# KiCad board tildagon-top.kicad_pcb
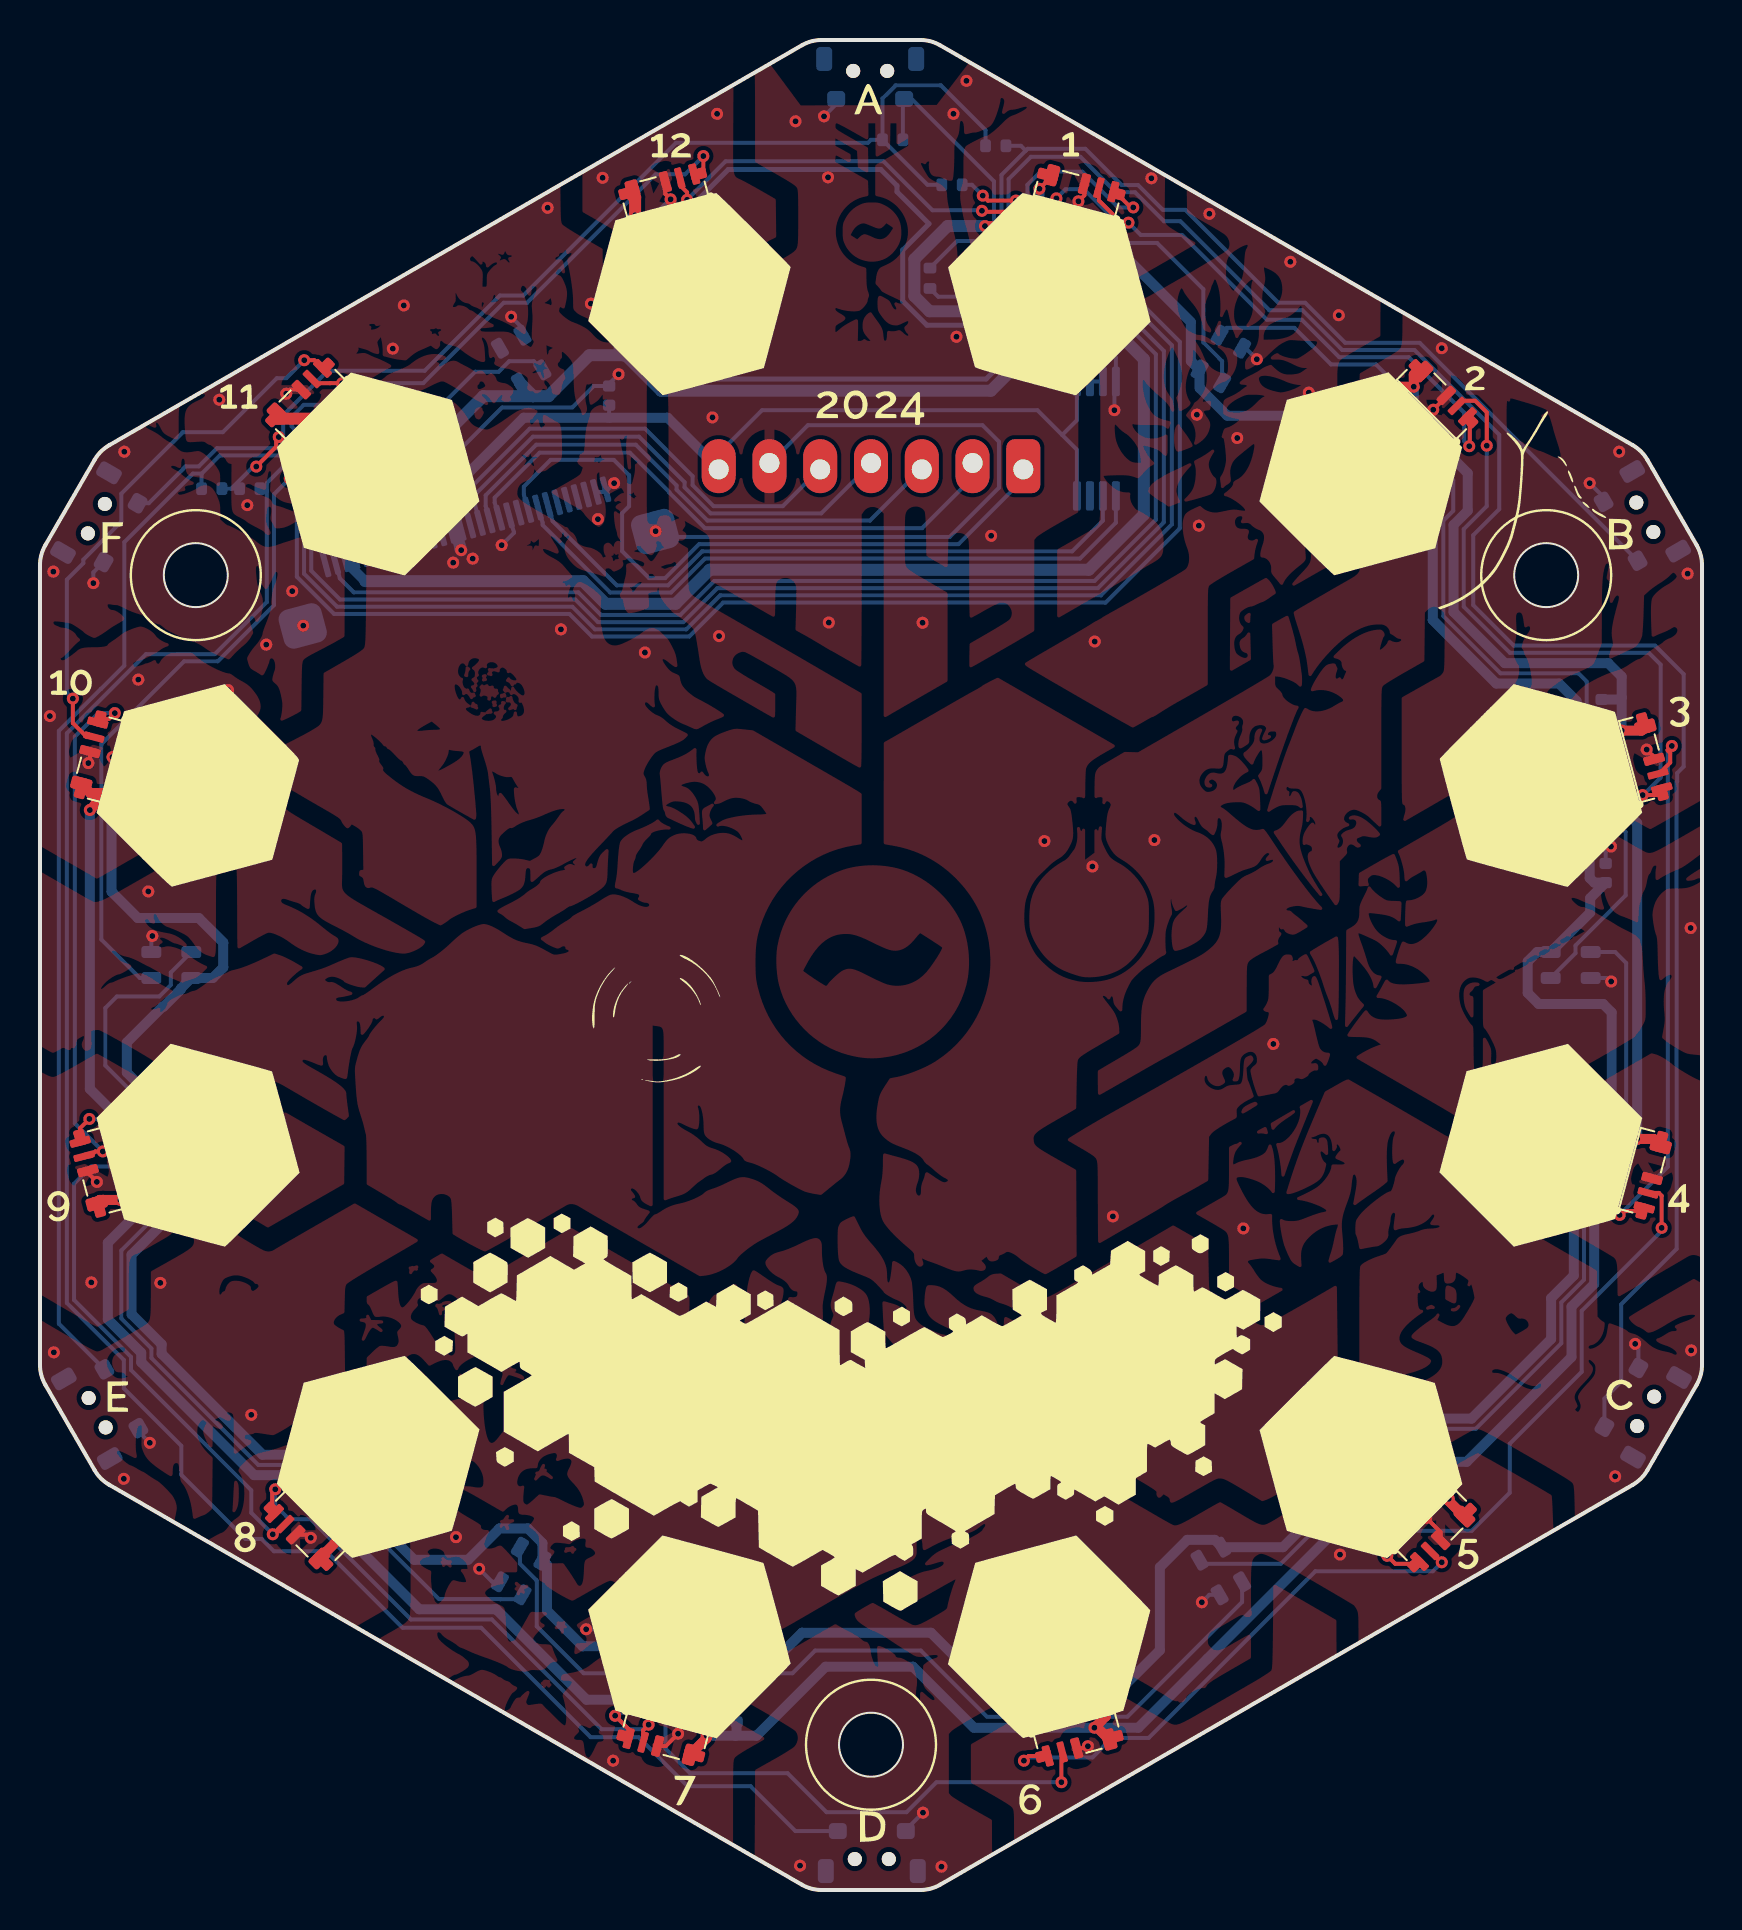
[diagram p0: board, top side]
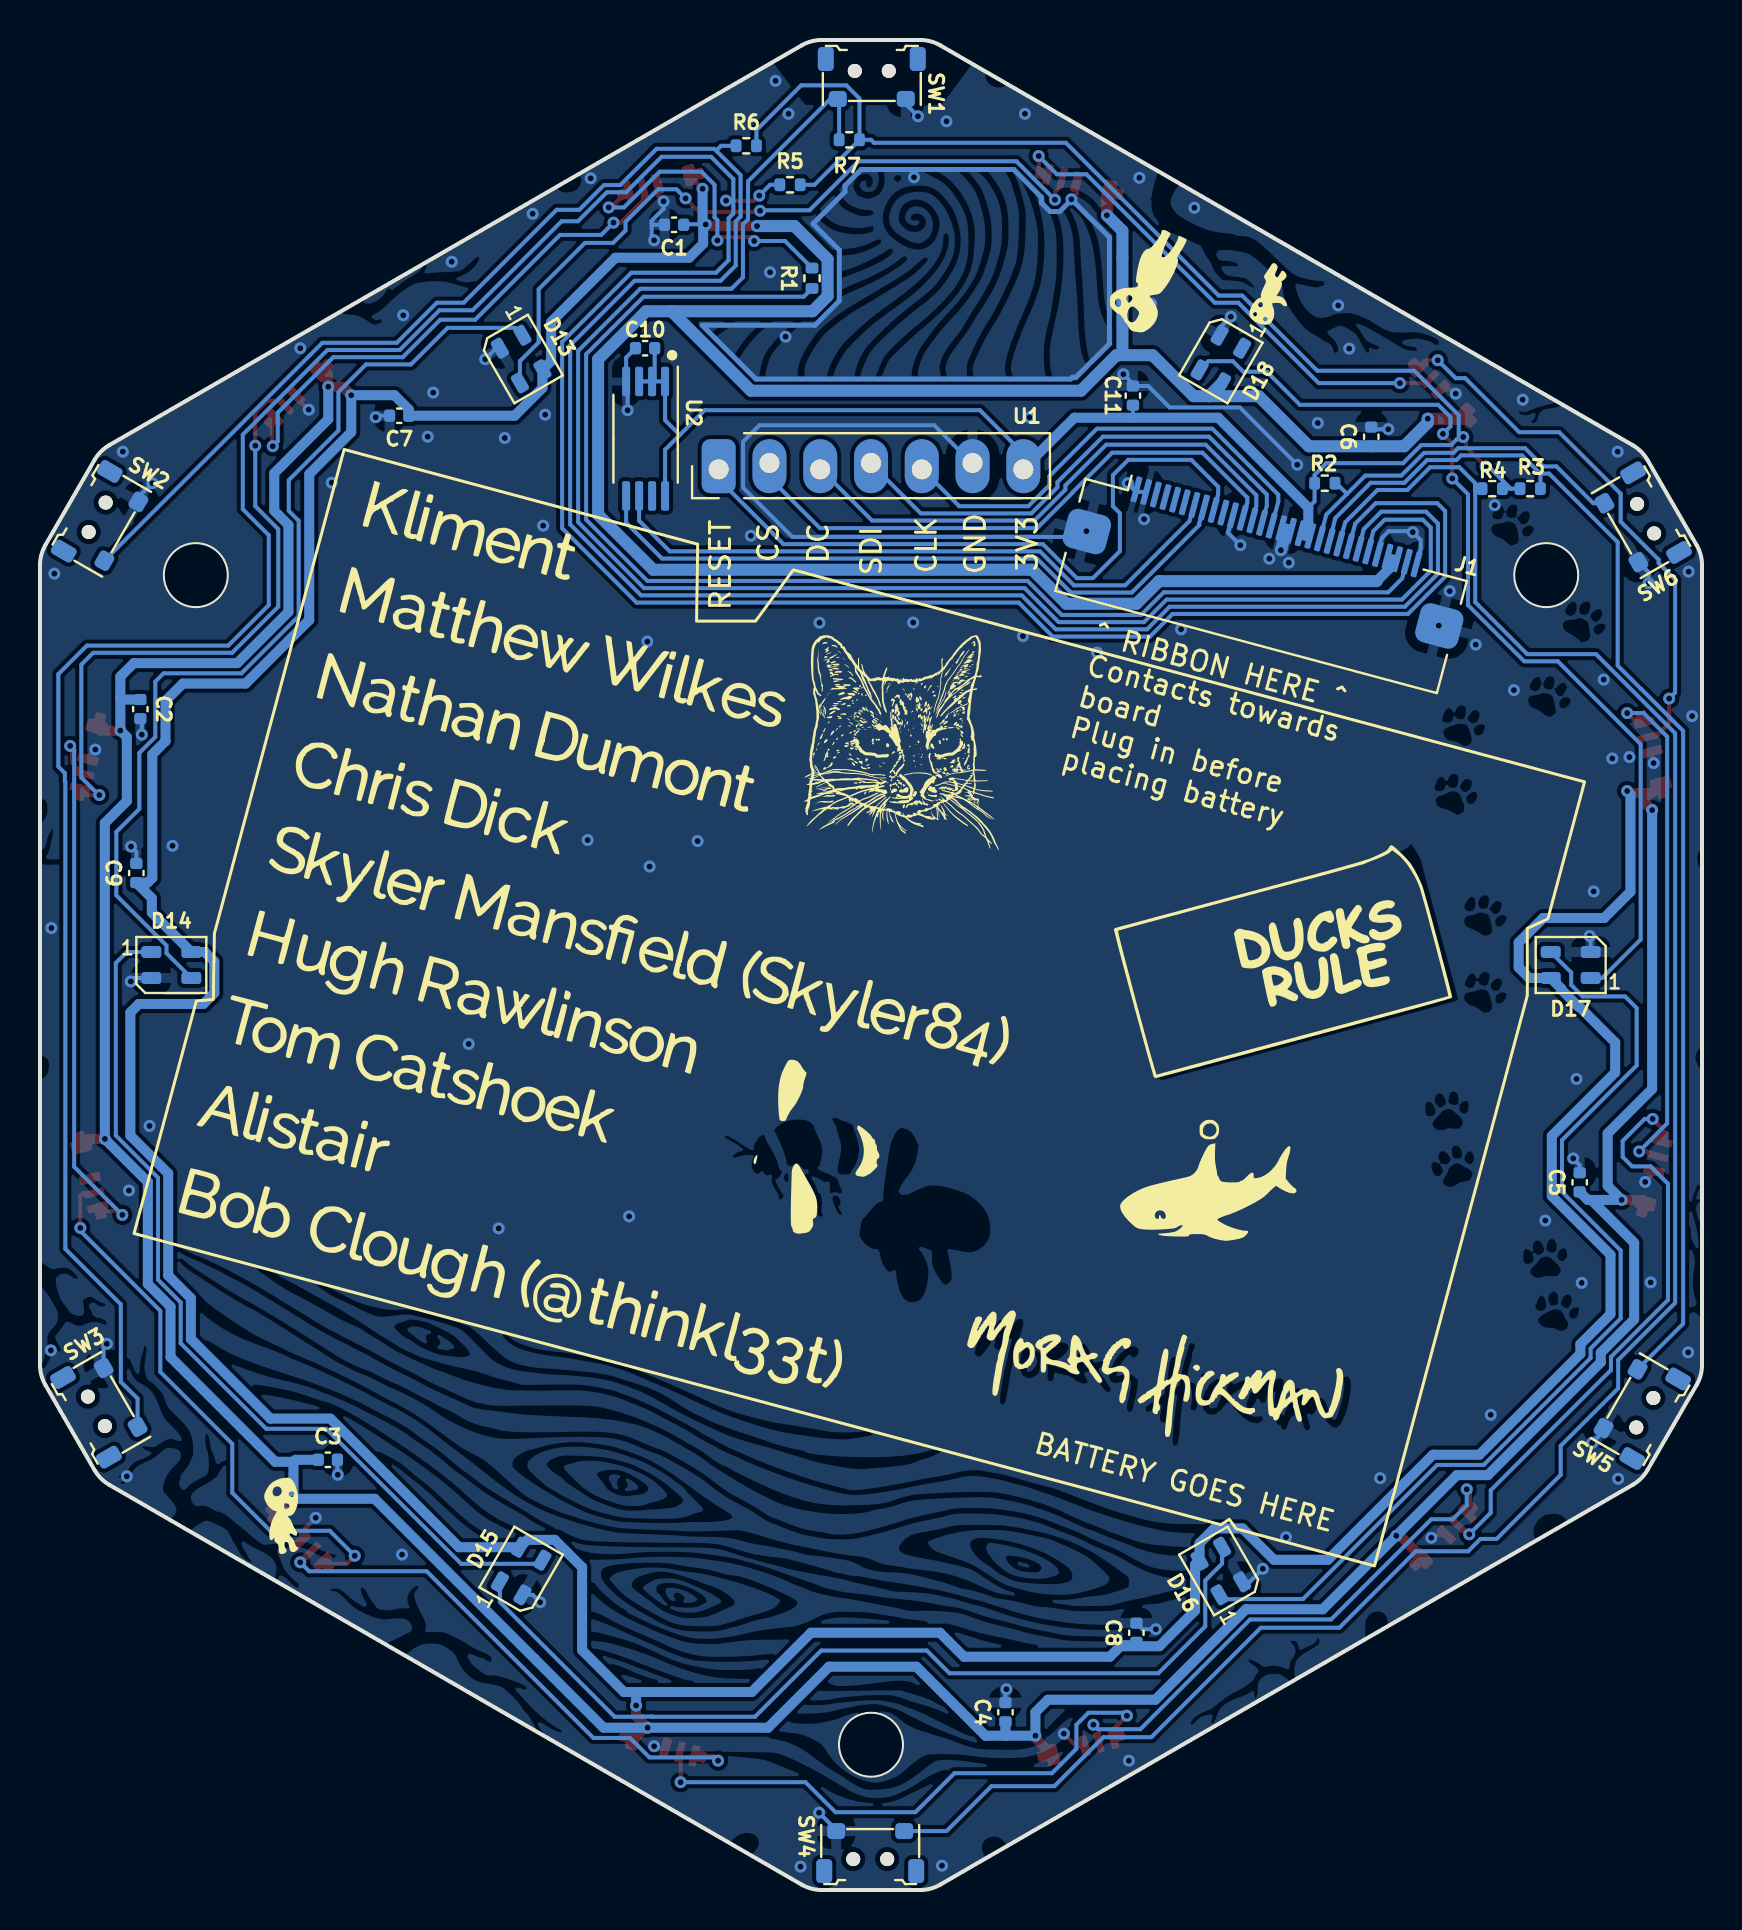
[diagram p1: board, bottom side, seen from below]

Outline 83.14 x 92.54 mm; copper layers: Top, Bottom. Coordinates in mm from the lower left corner of the outline.
Outline path: circle c7.79,65.77 r1.6 ; circle c41.57,7.27 r1.6 ; circle c75.34,65.77 r1.6 ; 0,66.27 0,26.27 arc(0.07,25.75) 0.27,25.27 2.73,21 arc(3.05,20.59) 3.46,20.27 38.11,0.27 arc(38.59,0.07) 39.11,0 44.03,0 arc(44.55,0.07) 45.03,0.27 79.67,20.27 arc(80.09,20.59) 80.41,21 82.87,25.27 arc(83.07,25.75) 83.14,26.27 83.14,66.27 arc(83.07,66.79) 82.87,67.27 80.41,71.54 arc(80.09,71.95) 79.67,72.27 45.03,92.27 arc(44.55,92.47) 44.03,92.54 39.11,92.54 arc(38.59,92.47) 38.11,92.27 3.46,72.27 arc(3.05,71.95) 2.73,71.54 0.27,67.27 arc(0.07,66.79) 0,66.27

## Placement (name value [footprint] x y rotation side)
C1  1u  [C_0402_1005Metric]  51.42 83.29 0 bottom
C2  1u  [C_0402_1005Metric]  78.12 59.07 270 bottom
C3  1u  [C_0402_1005Metric]  68.74 21.52 180 bottom
C4  1u  [C_0402_1005Metric]  34.84 8.89 90 bottom
C5  1u  [C_0402_1005Metric]  6.12 35.4 90 bottom
C6  1u  [C_0402_1005Metric]  16.54 72.69 90 bottom
C7  1u  [C_0402_1005Metric]  65.17 73.74 0 bottom
C8  1u  [C_0402_1005Metric]  28.29 12.87 90 bottom
C9  1u  [C_0402_1005Metric]  78.32 50.87 90 bottom
C10  1u  [C_0402_1005Metric]  52.87 77.12 0 bottom
C11  1u  [C_0402_1005Metric]  28.47 74.75 90 bottom
D1  SK68xx-EC3210x  [SK6805SIDE-S]  51.92 84.9 345 top
D2  SK68xx-EC3210x  [SK6805SIDE-S]  69.85 74.55 315 top
D3  SK68xx-EC3210x  [SK6805SIDE-S]  80.21 56.62 285 top
D4  SK68xx-EC3210x  [SK6805SIDE-S]  80.21 35.92 255 top
D5  SK68xx-EC3210x  [SK6805SIDE-S]  69.85 17.98 225 top
D6  SK68xx-EC3210x  [SK6805SIDE-S]  51.92 7.63 195 top
D7  SK68xx-EC3210x  [SK6805SIDE-S]  31.22 7.63 165 top
D8  SK68xx-EC3210x  [SK6805SIDE-S]  13.28 17.98 135 top
D9  SK68xx-EC3210x  [SK6805SIDE-S]  2.93 35.92 105 top
D10  SK68xx-EC3210x  [SK6805SIDE-S]  2.93 56.62 75 top
D11  SK68xx-EC3210x  [SK6805SIDE-S]  13.28 74.55 45 top
D12  SK68xx-EC3210x  [SK6805SIDE-S]  31.22 84.9 15 top
D13  SK6805MICRO-J  [LED_SK6805_PLCC4_2.4x2.7mm_P1.3mm]  59.07 76.58 240 bottom
D14  SK6805MICRO-J  [LED_SK6805_PLCC4_2.4x2.7mm_P1.3mm]  76.57 46.27 180 bottom
D15  SK6805MICRO-J  [LED_SK6805_PLCC4_2.4x2.7mm_P1.3mm]  59.07 15.96 120 bottom
D16  SK6805MICRO-J  [LED_SK6805_PLCC4_2.4x2.7mm_P1.3mm]  24.07 15.96 60 bottom
D17  SK6805MICRO-J  [LED_SK6805_PLCC4_2.4x2.7mm_P1.3mm]  6.57 46.27 0 bottom
D18  SK6805MICRO-J  [LED_SK6805_PLCC4_2.4x2.7mm_P1.3mm]  24.07 76.58 300 bottom
J1  Conn_01x30_MountingPin  [Jushuo_AFC01-S30FCC-00_1x30-1MP_P0.50mm_Horizontal]  22.06 65.2 195 bottom
R1  1k  [R_0402_1005Metric]  44.52 80.62 90 bottom
R2  100k  [R_0402_1005Metric]  18.87 70.37 0 bottom
R3  100k  [R_0402_1005Metric]  8.59 70.09 0 bottom
R4  100k  [R_0402_1005Metric]  10.49 70.09 180 bottom
R5  100k  [R_0402_1005Metric]  45.62 85.29 180 bottom
R6  100k  [R_0402_1005Metric]  47.81 87.24 180 bottom
R7  100k  [R_0402_1005Metric]  42.65 87.54 180 bottom
SW1  SW_Push  [sidebutton-1TS003B-1400-3500A-CT]  41.53 90.99 180 bottom
SW2  SW_Push  [sidebutton-1TS003B-1400-3500A-CT]  80.28 68.66 120 bottom
SW3  SW_Push  [sidebutton-1TS003B-1400-3500A-CT]  80.32 23.94 60 bottom
SW4  SW_Push  [sidebutton-1TS003B-1400-3500A-CT]  41.61 1.55 0 bottom
SW5  SW_Push  [sidebutton-1TS003B-1400-3500A-CT]  2.86 23.87 300 bottom
SW6  SW_Push  [sidebutton-1TS003B-1400-3500A-CT]  2.82 68.59 240 bottom
U1  ~  [PinHeader_1x07_P2.54mm_Vertical_LockPads]  41.57 71.22 180 bottom
U2  24LC00  [TSSOP-8_4.4x3mm_P0.65mm]  52.84 72.59 270 bottom

## Library data of the parts
C1-C11 = -: Description: Unpolarized capacitor
D1-D18 = -: Description: RGB LED with integrated controller
J1 = -: Description: Generic connectable mounting pin connector, single row, 01x30, script generated (kicad-library-utils/schlib/autogen/connector/)
R1-R7 = -: Description: Resistor
SW1-SW6 = -: Description: Push button switch, generic, two pins
U2 = -: Description: I2C Serial EEPROM, 128 Bits, DIP-8/SOIC-8/TSSOP-8/DFN-8

## Footprints (pads in the part's own frame, mm; a bottom-side part is the same pattern mirrored in y, then rotated)
C_0402_1005Metric
  rrect 0.56x0.62 smd: 1(-0.48,0) 2(0.48,0)
Jushuo_AFC01-S30FCC-00_1x30-1MP_P0.50mm_Horizontal
  rrect 0.3x1.3 smd: 1(-7.275,3.08) 2(-6.775,3.08) 3(-6.275,3.08) 4(-5.775,3.08) 5(-5.275,3.08) 6(-4.775,3.08) 7(-4.275,3.08) 8(-3.775,3.08) 9(-3.275,3.08) 10(-2.775,3.08) 11(-2.275,3.08) 12(-1.775,3.08) 13(-1.275,3.08) 14(-0.775,3.08) 15(-0.275,3.08) 16(0.225,3.08) 17(0.725,3.08) 18(1.225,3.08) 19(1.725,3.08) 20(2.225,3.08) 21(2.725,3.08) 22(3.225,3.08) 23(3.725,3.08) 24(4.225,3.08) 25(4.725,3.08) 26(5.225,3.08) 27(5.725,3.08) 28(6.225,3.08) 29(6.725,3.08) 30(7.225,3.08)
  rrect 2.2x2 smd: MP(-9.125,0.4) MP(9.125,0.4)
LED_SK6805_PLCC4_2.4x2.7mm_P1.3mm
  rrect 1x0.6 smd: 1(-1,0.65) 2(-1,-0.65) 3(1,-0.65) 4(1,0.65)
PinHeader_1x07_P2.54mm_Vertical_LockPads
  rrect 1.7x2.7 hole 1: 1(-7.62,-0.16)
  oval 1.7x2.7 hole 1: 2(-5.08,0.16) 3(-2.54,-0.16) 4(0,0.16) 5(2.54,-0.16) 6(5.08,0.16) 7(7.62,-0.16)
R_0402_1005Metric
  rrect 0.54x0.64 smd: 1(-0.51,0) 2(0.51,0)
sidebutton-1TS003B-1400-3500A-CT
  rrect 0.8x1.2 smd: (-2.3,0.6) (2.3,0.6)
  round 0.7 hole 0.7 unplated: (-0.85,0) (0.85,0)
  rrect 0.9x0.8 smd: 1(-1.7,-1.4) 2(1.7,-1.4)
SK6805SIDE-S
  rrect 1.05x0.55 smd: 1(-1.68,0.45)
  rrect 0.65x1.05 smd: 1(-1.48,0.5)
  rrect 0.45x1.05 smd: 2(0.2,0.5)
  rrect 0.35x1.05 smd: 3(0.95,0.5)
  rrect 0.39x1.05 smd: 4(1.7,0.5)
  rrect 0.8x0.55 smd: 4(1.905,0.45)
TSSOP-8_4.4x3mm_P0.65mm
  rrect 1.475x0.4 smd: 1(-2.862,0.975) 2(-2.862,0.325) 3(-2.862,-0.325) 4(-2.862,-0.975) 5(2.862,-0.975) 6(2.862,-0.325) 7(2.862,0.325) 8(2.862,0.975)

## Nets
/3V3: C10.1 C11.1 J1.18 J1.19 R2.2 R3.2 R4.2 R5.2 R6.2 R7.2 U1.7 U2.1 U2.2 U2.3 U2.8
/VBAT_SW: C1.1 C2.1 C3.1 C4.1 C5.1 C6.1 C7.1 C8.1 C9.1 D1.1 D2.1 D3.1 D4.1 D5.1 D6.1 D7.1 D8.1 D9.1 D10.1 D11.1 D12.1 D13.4 D14.4 D15.4 D16.4 D17.4 D18.4 J1.27 J1.28
GND: C1.2 C2.2 C3.2 C4.2 C5.2 C6.2 C7.2 C8.2 C9.2 C10.2 C11.2 D1.2 D2.2 D3.2 D4.2 D5.2 D6.2 D7.2 D8.2 D9.2 D10.2 D11.2 D12.2 D13.2 D14.2 D15.2 D16.2 D17.2 D18.2 J1.1 J1.2 J1.11 J1.16 J1.17 J1.26 J1.30 J1.MP SW1.2 SW2.2 SW3.2 SW4.2 SW5.2 SW6.2 U1.6 U2.4
/BTN1: J1.25 R7.1 SW1.1
/BTN2: J1.24 R6.1 SW2.1
/BTN3: J1.23 R5.1 SW3.1
/BTN4: J1.22 R4.1 SW4.1
/BTN5: J1.21 R3.1 SW5.1
/BTN6: J1.20 R2.1 SW6.1
/ESPBL: J1.6
/ESPRESET: J1.5
/ESPRX: J1.3
/ESPTX: J1.4
/HS1: J1.15 U1.5
/HS2: J1.14 U1.4
/HS3: J1.13 U1.3
/HS4: J1.12 U1.2
/LED_DATA: J1.29 R1.1
/LS1: J1.10
/LS2: J1.9 U1.1
/SCL: J1.7 U2.6
/SDA: J1.8 U2.5
Net-(D1-DIN): D1.4 R1.2
Net-(D1-DOUT): D1.3 D2.4
Net-(D2-DOUT): D2.3 D3.4
Net-(D3-DOUT): D3.3 D4.4
Net-(D4-DOUT): D4.3 D5.4
Net-(D5-DOUT): D5.3 D6.4
Net-(D6-DOUT): D6.3 D7.4
Net-(D7-DOUT): D7.3 D8.4
Net-(D8-DOUT): D8.3 D9.4
Net-(D10-DIN): D9.3 D10.4
Net-(D10-DOUT): D10.3 D11.4
Net-(D11-DOUT): D11.3 D12.4
Net-(D12-DOUT): D12.3 D13.3
Net-(D13-DOUT): D13.1 D14.3
Net-(D14-DOUT): D14.1 D15.3
Net-(D15-DOUT): D15.1 D16.3
Net-(D16-DOUT): D16.1 D17.3
Net-(D17-DOUT): D17.1 D18.3

Pads without a net: D18 1; U2 7

## Via types
v1: diameter 0.6, hole 0.3, Top to Bottom, 166 vias

## Routing (per net, layer and track width the routed paths; a pad name or vN(x,y) marks a point on that pad's centre or on a via; arc(x,y) is an arc through that point)
/3V3: length 113
  Top w0.2: v1(10.82,71.2) 11.82,72.2 11.82,72.55 v1(11.94,72.68)
  Bottom w0.2: 33.95,71.09 33.95,71.85 36.12,74.02 49.89,74.02 51.13,72.78 ; J1.19 19.95,67.73 J1.18 ; 9.57,70.09 R3.2 ; 9.57,70.09 10.67,71.2 v1(10.82,71.2) ; 9.57,70.09 9.98,70.09 ; 51.13,72.78 51.87,72.04 U2.8 ; 51.13,72.78 51.87,73.52 U2.1 U2.3 ; 19.69,69.14 19.38,69.46 R2.2 19.38,70.78 18.79,71.37 14.95,71.37 14.05,72.27 12.56,72.27 12.26,72.57 12.17,72.57 ; 12.17,72.57 12.17,73.77 14.39,75.99 19.24,75.99 23,79.75 24.18,79.75 31.82,87.39 41.42,87.39 41.57,87.54 42.14,87.54 ; 12.17,72.57 12.05,72.57 v1(11.94,72.68) ; 42.14,87.54 42.14,89.61 42.8,90.27 45.06,90.27 47.3,88.03 R6.2 ; 42.14,87.54 44.39,85.29 R5.2 ; C11.1 28.47,73.64 ; C10.1 52.39,75.59 U2.2
  Bottom w0.5: 19.84,67.73 19.69,67.88 19.69,69.14 24.19,73.64 31.4,73.64 33.95,71.09
/VBAT_SW: length 547.5
  Top w0.2: D1.1 50.62,85.72 v1(49.99,85.09)
  Top w0.5: v1(49.83,83.31) 49.79,83.27 49.63,83.27 49.58,83.22 47.28,83.22 v1(47.27,83.23) ; v1(2.49,54.02) 2.79,54.32 2.79,54.87 ; D8.1 15.11,17.72 v1(15.29,17.72) ; D5.1 70.47,19.46 v1(70.47,19.57) ; v1(79.89,37.57) 80.72,37.57 D4.1 ; D2.1 68.72,75.79 v1(68.72,75.19) 67.99,75.19 v1(67.57,74.77) ; v1(33.34,7.72) 33.34,7.59 D7.1 ; D3.1 80.12,57.99 v1(79.12,57.99) ; v1(3.74,54.97) 3.64,54.87 2.79,54.87 ; D10.1 2.52,54.87 2.79,54.87 ; v1(4.02,34.52) 2.99,34.52 D9.1 ; v1(53.32,9.23) 53.32,8.69 v1(52.74,8.12) 52.89,8.12 D6.1
  Top w0.6: D11.1 11.87,73.59 v1(13.72,73.59) ; v1(29.77,83.77) 29.77,84.61 D12.1
  Bottom w0.2: J1.28 15.6,66.57 J1.27 ; 29.09,12.19 28.89,12.39 28.3,12.39 C8.1 ; 49.96,83.32 50.91,83.32 C1.1
  Bottom w0.5: v1(3.74,54.97) 3.58,54.8 3.58,49.93 4.89,48.62 7.94,48.62 9.17,47.39 9.17,46.14 8.64,45.62 D17.4 7.05,45.1 7.05,45.06 6.18,44.18 6.13,44.18 4.34,42.39 4.34,40.89 7.51,37.72 7.51,34.71 4.58,31.78 4.58,28.8 6.08,27.3 6.08,26.82 11.13,21.77 13.46,21.77 18.72,16.52 21.42,16.52 22.98,18.09 24.39,18.09 25.13,17.35 D16.4 25.36,16.27 25.36,13.98 27.14,12.19 29.09,12.19 29.62,11.67 36.92,11.67 38.12,12.87 44.57,12.87 47.53,9.9 53.19,9.9 ; 70.46,21.42 70.36,21.52 C3.1 ; 70.46,21.42 70.46,19.58 v1(70.47,19.57) 66.39,19.57 54.94,8.12 v1(52.74,8.12) 46.72,8.12 43.67,11.17 39.29,11.17 35.84,7.72 34.79,7.72 ; 70.46,21.42 71.37,21.42 76.61,26.66 76.61,29.18 77.74,30.31 77.74,35.42 v1(79.89,37.57) 79.89,53.37 78.79,54.47 78.79,57.67 v1(79.12,57.99) 79.12,59.64 ; 16.27,65.47 15.49,66.24 15.49,66.57 ; 34.79,7.72 34.84,7.77 C4.1 ; 34.79,7.72 v1(33.34,7.72) 33.34,8.89 32.72,9.52 27.34,9.52 22.82,14.04 18.97,14.04 v1(15.29,17.72) 12.26,20.75 10.71,20.75 5.06,26.4 5.06,26.87 3.39,28.54 3.39,32.37 5.54,34.52 ; v1(49.99,85.09) 49.99,83.47 v1(49.83,83.31) 49.96,83.31 49.96,83.32 49.96,82.35 50.67,81.64 54.35,81.64 57.57,78.43 57.57,76.47 D13.4 58.01,75.13 59.39,73.74 C7.1 64.69,74.05 65.4,74.77 v1(67.57,74.77) 67.57,72.92 69.67,70.82 69.67,63.53 72.85,60.35 75.99,60.35 76.86,59.48 76.86,57.46 77.52,56.8 77.52,50.62 77.75,50.39 C9.1 77.54,49.61 77.54,48.89 D14.4 74.89,46.92 74.42,46.44 74.42,44.87 74.97,44.32 78.19,44.32 78.62,43.89 78.62,37.74 76.72,35.84 76.72,30.74 75.59,29.6 75.59,27.56 71.61,23.58 68.61,23.58 62.18,17.15 D15.4 58.77,17.51 57.39,17.51 56.02,16.14 56.02,11.99 53.93,9.9 53.19,9.9 ; 79.12,59.64 79.12,60.69 78.44,61.37 73.27,61.37 70.71,63.93 70.71,68.28 71.42,68.99 71.42,70.87 68.72,73.57 v1(68.72,75.19) ; 79.12,59.64 79.02,59.55 C2.1 ; 5.54,34.52 5.72,34.52 C5.1 ; 5.54,34.52 v1(4.02,34.52) 4.72,35.22 4.72,37.84 2.49,40.07 v1(2.49,54.02) ; 53.19,9.9 53.32,9.78 v1(53.32,9.23)
  Bottom w0.6: 29.17,76.77 28.99,76.94 28.99,82.99 v1(29.77,83.77) ; 29.17,76.77 29.29,76.77 31.07,74.99 47.57,74.99 51.54,78.97 ; 29.17,76.77 27.48,76.77 25.43,74.72 24.68,74.72 ; 51.54,78.97 44.49,78.97 43.74,79.72 43.74,81.57 45.4,83.23 v1(47.27,83.23) ; 51.54,78.97 52.82,78.97 55.22,76.57 55.22,68.79 52.46,66.04 33.5,66.04 31.8,64.34 28.29,64.34 27.16,65.47 16.27,65.47 ; v1(13.72,73.59) 13.72,73.39 14.9,72.21 C6.1 19.66,72.21 22.17,74.72 24.68,74.72 ; 24.68,74.72 D18.4
GND: length 147.2
  Top w0.2: v1(2.42,56.37) 2.5,56.45 D10.2 ; D9.2 2.4,35.86 v1(2.84,35.42) ; v1(52.42,7.19) 52.32,7.1 D6.2 ; v1(69.69,74.04) 70.35,74.7 D2.2 ; D3.2 80.74,56.67 v1(80.37,57.04) ; v1(13.54,17.62) 13.39,17.77 D8.2 ; D7.2 31.3,7.2 v1(31.92,7.82) ; D11.2 12.52,75.05 v1(12.32,74.84) ; D5.2 70.07,17.9 v1(69.34,18.62) ; v1(31.54,84.57) 31.28,84.83 D12.2 ; v1(51.94,84.47) 52.24,84.77 D1.2
  Bottom w0.2: SW5.2 4.92,22.94 v1(5.49,22.37) ; v1(23.09,67.27) 23.71,67.88 23.71,67.91 23.48,68.67 ; v1(23.57,78.69) 24.13,78.13 D18.2 ; v1(51.94,84.47) 51.94,84.09 52.54,83.49 52.54,83.34 ; v1(78.58,52.19) 78.32,51.93 C9.2 ; v1(52.42,82.52) 52.54,82.64 52.54,83.34 ; SW2.2 78.22,69.67 v1(77.52,70.37) ; D14.2 78.42,45.62 v1(78.59,45.44) ; D17.2 5.57,47.67 v1(5.62,47.72) ; v1(60.87,76.57) 60.32,77.12 D13.2 ; v1(2.67,65.37) 2.67,65.91 SW6.2 ; SW1.2 39.83,89.33 v1(39.22,88.72) ; v1(30.79,67.97) 30.78,67.95 J1.MP 31.04,67.68 45.5,67.68 47.97,70.14 47.97,72.44 47.14,73.27 38.41,73.27 36.49,71.34 ; v1(66.34,73.67) 66.27,73.74 C7.2 ; v1(44.17,3.87) 43.31,3.01 SW4.2 ; D16.2 22.62,15.42 v1(21.97,16.07) ; C8.2 27.99,13.04 v1(27.32,13.04) ; 52.54,83.34 52.49,83.29 C1.2 ; v1(68.24,20.77) 68.26,20.78 C3.2 ; v1(15.69,73.07) 16.44,73.07 C6.2 ; v1(78.04,57.79) 78.04,58.51 C2.2 ; v1(6.44,36.59) 6.12,36.27 C5.2 ; SW3.2 79.96,27.16 v1(79.79,27.32) ; J1.MP 13.15,63.23 v1(13.17,63.24) ; v1(20.25,71.29) 23.12,74.16 26.63,74.16 27.7,75.23 C11.2 28.47,75.34 v1(28.94,75.82) ; C10.2 53.82,76.65 U2.4 53.74,75.38 v1(53.74,74.02) ; 14.32,66.08 14.07,67.09 14.07,67.52 v1(14.47,67.92) 14.52,67.97 15.67,67.97 16.02,67.62 16.27,66.6 ; J1.16 J1.17 ; v1(58.12,14.39) 58.49,14.77 D15.2 ; v1(28.72,70.37) 28.41,70.06 J1.1 28.16,69.93 J1.2 ; C4.2 34.84,9.99 v1(34.79,10.04)
  Bottom w0.25: 31.52,84.57 31.52,84.57 32.13,83.96 32.61,83.96 33.04,84.39 33.04,84.67 34.43,86.06 42.06,86.06 42.87,85.25 42.87,84.94 44.47,83.34 43.15,82.03 43.15,79.48 44.37,78.27 50.02,78.27 47.33,75.58 31.58,75.58 31.49,75.67 31.32,75.67 29.64,77.34 29.64,82.67 v1(31.54,84.57)
  Bottom w0.6: 21.02,67.09 v1(21.07,67.02) 20.77,68.04
  vias: v1(0.49,58.72) v1(0.67,65.94) v1(0.69,26.89) v1(2.57,30.39) v1(3.63,56.67) v1(4.22,71.94) v1(4.19,20.57) v1(4.49,56.6) v1(4.92,60.54) v1(5.42,49.95) v1(6.02,30.37) v1(6.28,40.57) v1(7.84,33.49) v1(8.97,74.54) v1(9.41,60.02) v1(10.37,69.27) v1(10.57,23.77) v1(11.32,62.29) v1(12.62,64.97) v1(16.1,20.6) v1(17.65,77.1) v1(18.2,79.26) v1(19.22,73.38) v1(20.67,66.39) v1(20.81,17.65) v1(21.64,66.59) v1(25.39,84.14) v1(26.06,63.06) v1(27.56,79.35) v1(27.91,68.57) v1(28.14,85.64) v1(28.67,6.47) v1(30.26,61.9) v1(33.64,73.66) v1(33.87,88.84) v1(33.97,62.72) v1(37.79,88.47) v1(38.02,1.22) v1(39.42,85.67) v1(39.46,63.4) v1(44.15,63.39) v1(45.09,1.17) v1(45.69,88.84) v1(45.84,77.69) v1(46.34,90.49) v1(46.62,80.92) v1(47.58,67.74) v1(50.24,52.47) v1(52.64,51.19) v1(52.76,62.45) v1(53.67,33.69) v1(55.59,85.62) v1(55.74,52.52) v1(57.87,73.79) v1(57.97,68.24) v1(58.49,83.84) v1(59.89,72.63) v1(60.19,33.09) v1(61.69,42.32) v1(62.54,81.44) v1(63.47,74.9) v1(63.74,72.69) v1(64.97,78.77) v1(65.03,16.78) v1(68.54,70.39) v1(70.12,77.12) v1(76.51,52.23) v1(77.66,38.22) v1(78.69,34.99) v1(78.79,20.69) v1(78.99,71.94) v1(82.42,65.84) v1(82.57,48.12) v1(82.59,26.99)
/BTN1: length 83.8
  Bottom w0.2: J1.25 16.44,67.97 15.87,68.54 13.97,68.54 13.57,68.14 13.57,65.99 15.01,64.55 26.78,64.55 27.91,63.42 32.18,63.42 33.88,65.12 52.92,65.12 56.22,68.42 56.22,76.98 53.11,80.09 48.54,80.09 47.97,80.66 47.97,83.31 47.72,83.57 47.72,85.47 43.6,89.59 SW1.1 43.16,89.52 R7.1
/BTN2: length 120.1
  Bottom w0.2: 49.31,87 48.09,85.78 48.09,83.7 48.33,83.46 48.33,81.25 49.09,80.49 53.39,80.49 56.62,77.27 56.62,68.31 53.07,64.76 34.03,64.76 32.33,63.06 27.76,63.06 26.63,64.19 14.86,64.19 13.21,65.84 13.21,68.35 13.8,68.94 16.04,68.94 16.92,68.07 J1.24 ; 49.31,87 49.4,87.09 52.29,87.09 54.11,85.28 54.93,85.28 56.16,84.04 57.29,84.04 61.94,79.39 63.29,79.39 65.29,77.39 69.02,77.39 SW2.1 ; 49.31,87 49.07,87.24 R6.1
/BTN3: length 175.2
  Top w0.2: v1(48.82,84.5) 47.41,84.5 v1(47.16,84.75)
  Bottom w0.2: 48.45,84.47 48.45,85.58 49.57,86.69 52.04,86.69 53.82,84.92 54.78,84.92 56.23,83.47 57.04,83.47 61.49,79.02 63.15,79.02 65.14,77.03 68.76,77.03 72.99,72.79 72.99,69.07 71.69,67.77 71.69,64.27 73.72,62.24 80.79,62.24 82.22,60.82 82.22,56.19 81.89,55.87 81.89,55.44 81.87,55.42 81.87,32.07 79.09,29.29 79.09,25.42 78.26,24.58 SW3.1 ; 48.45,84.47 48.45,83.85 48.69,83.61 48.69,81.52 49.32,80.89 53.56,80.89 57.02,77.43 57.02,68.12 53.29,64.39 34.17,64.39 32.48,62.7 27.61,62.7 26.48,63.83 14.71,63.83 12.85,65.69 12.85,68.97 13.24,69.37 16.32,69.37 17.34,68.34 J1.23 ; 48.45,84.47 48.78,84.47 v1(48.82,84.5) ; v1(47.16,84.75) 46.62,85.29 R5.1
/BTN4: length 107.8
  Bottom w0.2: 11.35,69.97 11.34,69.96 11.34,64.42 8.74,61.82 5.3,61.82 1.34,57.86 1.34,29.36 4.19,26.51 4.19,25.09 7.07,22.22 7.07,20.77 10.28,17.56 11.08,17.56 11.7,16.94 14.32,16.94 18.14,13.12 22.07,13.12 27.54,7.64 29.94,7.64 32.39,5.19 35.54,5.19 37.79,2.95 SW4.1 ; 11.35,69.97 11.35,70.37 12.14,71.16 13.61,71.16 14.74,70.03 16.23,70.03 17.84,68.42 J1.22 ; 11.35,69.97 11.22,70.09 R4.1
/BTN5: length 62.8
  Bottom w0.2: 8.09,70.85 8.08,70.84 R3.1 ; 8.09,70.85 7.65,70.85 4.22,67.42 4.22,61.24 3.06,60.08 3.05,60.08 0.94,57.98 0.94,28.32 SW5.1 ; 8.09,70.85 9,71.76 12.05,71.76 12.29,71.52 13.76,71.52 14.89,70.39 16.57,70.39 18.34,68.62 J1.21
/BTN6: length 18.5
  Bottom w0.2: 17.76,69.83 16.84,70.75 15.04,70.75 13.9,71.88 12.44,71.88 12.2,72.12 8.85,72.12 7.94,71.21 7.28,71.21 5.44,69.37 SW6.1 ; 17.76,69.83 18.29,70.37 R2.1 ; 17.76,69.83 18.79,68.79 J1.20
/HS1: length 23.4
  Bottom w0.2: J1.15 21.19,69.44 21.19,69.79 24.49,73.09 30.27,73.09 32.64,70.72 32.64,70.27 33.69,69.22 37.16,69.22 39.03,71.09
/HS2: length 25.2
  Bottom w0.2: 41.57,71.34 39.08,68.86 33.55,68.86 32.24,70.16 32.24,70.42 29.97,72.69 24.66,72.69 21.77,69.8 21.77,69.24 J1.14
/HS3: length 26.9
  Bottom w0.2: 44.11,71.09 41.52,68.5 33.39,68.5 31.84,70.04 31.84,70.25 29.8,72.29 24.83,72.29 22.29,69.76 22.29,69.22 J1.13
/HS4: length 28.5
  Bottom w0.2: J1.12 22.74,69.39 22.74,69.65 24.99,71.89 29.51,71.89 31.48,69.91 31.48,69.89 33.26,68.12 44.12,68.12 46.65,70.64
/LED_DATA: length 65.5
  Bottom w0.2: 14.74,66.62 15,65.6 15.69,64.91 26.93,64.91 28.06,63.78 32.03,63.78 33.73,65.48 52.75,65.48 55.82,68.54 55.82,76.82 52.94,79.69 44.93,79.69 R1.1
/LS2: length 34.5
  Bottom w0.2: 49.19,71.09 49.19,70.56 45.94,67.32 32.97,67.32 31.27,65.62 30.47,65.62 29.12,66.97 29.12,68.87 29.47,69.22 29.47,70.77 28.7,71.53 25.54,71.53 24.2,70.19 24.2,69.8 24.44,69.04
/SCL: length 32.2
  Bottom w0.2: 25.41,69.22 25.64,68.47 28.85,65.26 31.42,65.26 33.12,66.96 51.63,66.96 53.17,68.49 U2.6
/SDA: length 33.8
  Bottom w0.2: 24.91,69.15 25.14,68.39 25.14,68.28 28.52,64.9 31.57,64.9 33.27,66.6 52.02,66.6 53.82,68.39 U2.5
Net-(D1-DIN): length 15.7
  Top w0.2: v1(47.41,82.48) 47.6,82.67 49.09,82.67 v1(49.25,82.51) ; v1(54.69,84.16) 54.56,84.16 D1.4
  Bottom w0.2: v1(47.41,82.48) 45.87,82.48 R1.2 ; v1(49.25,82.51) 49.25,83.52 49.39,83.66 49.39,85.29 50.05,85.95 52.14,85.95 53.93,84.16 v1(54.69,84.16)
Net-(D1-DOUT): length 26.4
  Top w0.2: D1.3 52.97,84.51 54.08,83.4 v1(54.45,83.4) ; D2.4 71.52,72.24 v1(71.49,72.22)
  Bottom w0.2: v1(54.45,83.4) 55.06,82.79 57.13,82.79 61.37,78.54 63.12,78.54 64.99,76.67 68.47,76.67 71.24,73.89 71.24,72.47 v1(71.49,72.22)
Net-(D2-DOUT): length 31
  Top w0.2: v1(80.17,54.77) 81,54.77 D3.4 ; v1(72.37,72.24) 72.37,73.91 71.79,74.49 71.14,74.49 D2.3
  Bottom w0.2: v1(72.37,72.24) 72.37,69.22 71.22,68.07 71.22,64.19 73.53,61.88 80.48,61.88 81.07,61.29 81.07,55.64 80.19,54.77 v1(80.17,54.77)
Net-(D3-DOUT): length 27.6
  Top w0.2: D3.3 80.99,55.83 81.55,56.39 81.55,56.88 81.41,57.01 v1(81.63,57.22) ; v1(79.02,33.77) 79.21,33.96 D4.4
  Bottom w0.2: v1(81.63,57.22) 81.43,57.03 81.43,36.18 v1(79.02,33.77)
Net-(D4-DOUT): length 27.8
  Top w0.2: v1(67.39,16.72) 67.79,16.32 D5.4 ; v1(81.12,33.12) 81.12,34.73 80.98,34.87 D4.3
  Bottom w0.2: v1(67.39,16.72) 68.64,17.97 71.62,17.97 73.52,19.87 73.52,22.32 77.12,25.92 77.12,28.97 81.12,32.97 v1(81.12,33.12)
Net-(D5-DOUT): length 26.9
  Top w0.2: v1(70.12,16.39) 70.1,16.39 D5.3 ; v1(49.22,6.47) 49.45,6.7 D6.4
  Bottom w0.2: v1(70.12,16.39) 69.67,15.94 63.79,15.94 55.46,7.61 53.63,7.61 52.65,6.63 49.38,6.63 v1(49.22,6.47)
Net-(D6-DOUT): length 28.7
  Top w0.2: v1(51.09,5.39) 51.09,6.86 D6.3 ; v1(28.77,8.72) 29.44,8.04 D7.4
  Bottom w0.2: v1(51.09,5.39) 44.85,5.39 43.35,3.89 39.34,3.89 37.39,5.84 32.52,5.84 31.29,7.07 31.29,8.27 30.69,8.87 28.92,8.87 v1(28.77,8.72)
Net-(D7-DOUT): length 26.3
  Top w0.2: D7.3 30.17,7.99 v1(30.44,8.27) ; v1(11.77,20.04) 11.62,19.89 D8.4
  Bottom w0.2: v1(30.44,8.27) 30.22,8.04 28.09,8.04 22.6,13.53 18.55,13.53 13.54,18.54 12.47,18.54 11.77,19.24 v1(11.77,20.04)
Net-(D8-DOUT): length 29.2
  Top w0.2: v1(2.47,38.57) 2,38.1 D9.4 ; D8.3 11.75,17.79 v1(11.64,17.79)
  Bottom w0.2: v1(2.47,38.57) 2.87,38.57 3.97,37.47 3.97,36.67 3.49,36.19 2.57,36.19 1.7,35.33 1.7,29.51 4.55,26.66 4.55,26.01 10.57,19.99 10.57,18.87 v1(11.64,17.79)
Net-(D10-DIN): length 25.7
  Top w0.2: v1(3.14,36.94) 2.77,36.94 2.53,36.7 D9.3 ; v1(3.74,58.87) 3.45,58.58 D10.4
  Bottom w0.2: v1(3.74,58.87) 2.92,58.87 1.74,57.69 1.74,38.34 v1(3.14,36.94)
Net-(D10-DOUT): length 27.1
  Top w0.2: D11.4 13.72,76.52 v1(13.22,76.52) ; D10.3 2.34,57.67 1.64,58.37 v1(1.64,59.59)
  Bottom w0.2: v1(13.22,76.52) 12.32,75.62 11.84,75.62 9.14,72.92 7.14,72.92 4.07,69.84 4.07,68.44 2.17,66.54 2.17,66.37 1.34,65.54 1.34,59.89 v1(1.64,59.59)
Net-(D11-DOUT): length 25.4
  Top w0.2: D11.3 13.81,75.37 14.51,75.37 14.51,75.37 v1(15.12,75.37) ; D12.4 33.18,86.07 v1(33.18,86.73)
  Bottom w0.2: v1(15.12,75.37) 19.17,75.37 23.19,79.39 24.37,79.39 30.79,85.82 32.27,85.82 v1(33.18,86.73)
Net-(D12-DOUT): length 36.8
  Top w0.2: v1(32.37,84.54) 32.37,84.92 32,85.28 D12.3 ; v1(47.12,83.99) 47.17,83.94 50.17,83.94 v1(50.84,84.61)
  Bottom w0.2: D13.3 59.13,76.47 58.19,77.41 58.19,80.07 55.88,82.39 54.47,82.39 53.85,83.01 53.85,83.44 52.22,85.07 51.3,85.07 v1(50.84,84.61) ; v1(32.37,84.54) 34.29,86.47 42.19,86.47 44.64,84.02 47.09,84.02 v1(47.12,83.99)
Net-(D13-DOUT): length 48.8
  Bottom w0.2: D13.1 59.37,78.14 62.75,78.14 64.58,76.31 66.83,76.31 68.21,74.93 68.21,73 70.69,70.52 70.69,68.99 70.2,68.49 70.2,63.72 73.06,60.86 76.95,60.86 77.37,60.44 77.37,57.68 78.17,56.88 78.17,54.08 79.32,52.93 79.32,49.75 76.81,47.24 76.81,46.86 D14.3
Net-(D14-DOUT): length 45.1
  Bottom w0.2: D15.3 58.19,16.32 62.07,16.32 68.82,23.07 71.82,23.07 76.1,27.35 76.1,29.39 77.23,30.53 77.23,35.63 79.34,37.74 79.34,46.37 78.79,46.92 D14.1
Net-(D15-DOUT): length 45.8
  Bottom w0.2: D15.1 60.13,14.41 54.39,8.67 52.99,8.67 52.98,8.68 52.51,8.68 52.5,8.67 47.37,8.67 44.06,11.98 38.78,11.98 37.64,10.84 27.19,10.84 24.85,13.19 24.85,15.48 24.01,16.32 D16.3
Net-(D16-DOUT): length 50.4
  Bottom w0.2: D17.3 6.54,45.89 6.54,45.27 5.97,44.69 3.84,44.69 3.27,44.12 3.27,41.24 7,37.51 7,34.92 4.07,31.99 4.07,28.59 5.57,27.09 5.57,26.61 10.92,21.26 13.25,21.26 19.96,14.55 23.03,14.55 23.04,14.54 23.91,14.54 D16.1
Net-(D17-DOUT): length 48.6
  Top w0.2: v1(12.96,72.83) 12.49,72.37 v1(12.49,70.6)
  Bottom w0.2: D17.1 4.99,45.62 3.07,47.54 3.07,57.32 7.21,61.46 8.89,61.46 11.7,64.27 11.7,69.81 v1(12.49,70.6) ; v1(12.96,72.83) 12.58,73.21 12.58,73.67 13.2,74.29 20.12,74.29 21.77,75.94 22.94,75.94 23.47,76.47 24.7,76.47 D18.3

## Copper pours and planes (outline as drawn; the poured copper is in the pictures)
GND on Top, Bottom: 44.82,105.92 95.57,102.87 114.97,58.17 91.57,-5.78 57.22,-10.98 11.27,-9.08 -27.38,34.67 -18.43,103.82

## Text on the board
B.Silkscreen: 3V3 | ^ RIBBON HERE ^ / Contacts towards / board / Plug in before / placing battery | BATTERY GOES HERE | GND | CLK | SDI | DC | CS | RESET
